# Altium PCB Ethernet2Mil_Adapter_Dual.PcbDoc (part 2 of 5)
Units mil, origin at the board's own origin, x right, y up, seen from the top; angles counter-clockwise.
Board outline 6000 x 4000 mil, 2 copper layers (Top Layer, Bottom Layer); 318 components, 359 nets, 3384 pads, 22 vias.
Unrouted connection lines stored in the file: 800.
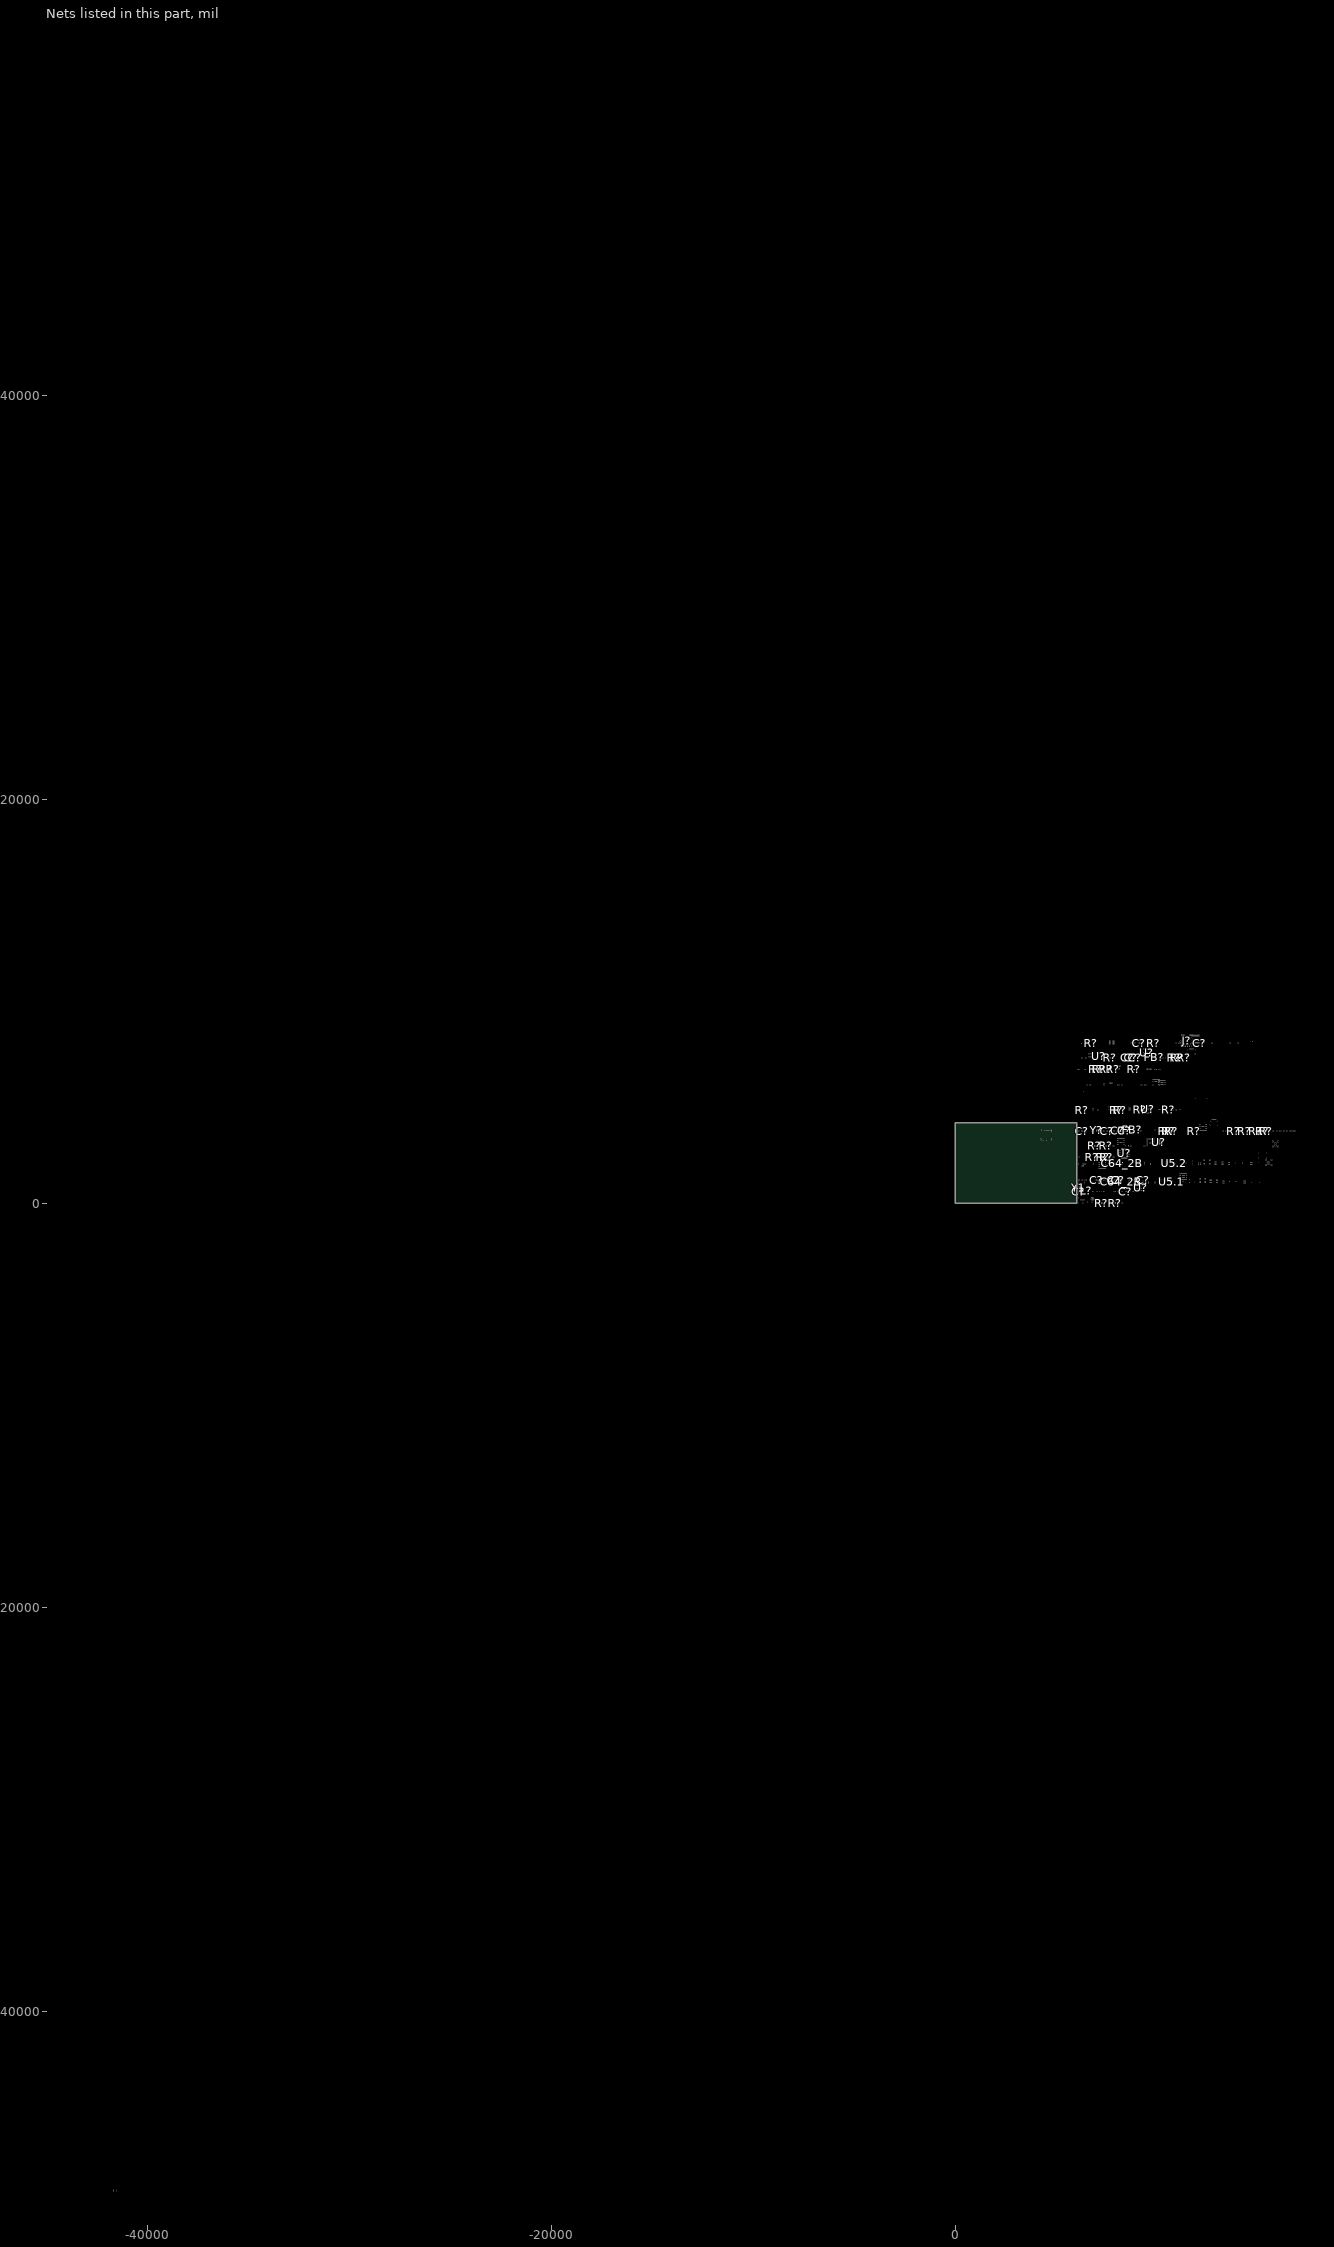
[diagram p2: the nets of this part, all layers, seen from the top]

## Footprints (in the part's own frame and the unit in brackets; to place one, negate y for a bottom-side part, rotate by r counter-clockwise, add the part's x,y. Pads: shape width x height; smd on the part's side, far side on the other; paste and mask are expansions set on the pad) (continued)
FP-C0402-BB-MFG [mm]
  rect 0.52x0.52 smd paste+0 mask+0: 1(-0.4,0) 2(0.4,0)
  silkscreen extent -0.5,-0.64 0.5,0.64, body extent -0.8,-0.4 0.8,0.4, height 0.25
FP-C-06593-6-IPC_B [mm]
  rect 1.348x0.526 smd paste+0 mask+0: 1(-1.171,0.95)
  rrect100% 1.348x0.526 smd paste+0 mask+0: 2(-1.171,0) 3(-1.171,-0.95) 4(1.171,-0.95) 5(1.171,0) 6(1.171,0.95)
  silkscreen extent -2.54,-1.53 0,1.53, body extent -2.09,-1.78 2.09,1.78, height 0.25
FP-CR0402-IPC_C [mil]
  rect 20.29x18.6 smd paste+0 mask+0: 1(-14.9,0) 2(14.9,0)
  silkscreen extent -25,-27 25,27, body extent -29,-15 29,15, height 10
FP-DGK0008A-IPC_B [mm]
  rect 1.557x0.458 smd paste+0 mask+0: 1(-2.101,0.975)
  rrect100% 1.557x0.458 smd paste+0 mask+0: 2(-2.101,0.325) 3(-2.101,-0.325) 4(-2.101,-0.975) 5(2.101,-0.975) 6(2.101,-0.325) 7(2.101,0.325) 8(2.101,0.975)
  silkscreen extent -3.58,-1.5 0.82,1.5, body extent -3.13,-1.75 3.13,1.75, height 0.25
FP-GRM188-0_2-IPC_C [mil]
  rect 35.63x35.68 smd paste+0 mask+0: 1(-23.64,0) 2(23.64,0)
  silkscreen extent -41,-35 41,35, body extent -45,-24 45,24, height 10
FP-IS61WV5128BLL-10BLI-IPC_A [mm]
  round 0.298 smd paste+0 mask+0: A1(-1.875,2.625) A2(-1.125,2.625) A3(-0.375,2.625) A4(0.375,2.625) A5(1.125,2.625) A6(1.875,2.625) B1(-1.875,1.875) B2(-1.125,1.875) B3(-0.375,1.875) B4(0.375,1.875) B5(1.125,1.875) B6(1.875,1.875) C1(-1.875,1.125) C3(-0.375,1.125) C4(0.375,1.125) C6(1.875,1.125) D1(-1.875,0.375) D6(1.875,0.375) E1(-1.875,-0.375) E6(1.875,-0.375) F1(-1.875,-1.125) F3(-0.375,-1.125) F4(0.375,-1.125) F6(1.875,-1.125) G1(-1.875,-1.875) G2(-1.125,-1.875) G3(-0.375,-1.875) G4(0.375,-1.875) G5(1.125,-1.875) G6(1.875,-1.875) H1(-1.875,-2.625) H2(-1.125,-2.625) H3(-0.375,-2.625) H4(0.375,-2.625) H5(1.125,-2.625) H6(1.875,-2.625)
  silkscreen extent -3.65,-4 3,4, body extent -3.5,-4.5 3.5,4.5, height 0.25
FP-LQFP-64-IPC_A [mm]
  rect 2.004x0.312 smd paste+0 mask+0: 1(-5.675,3.75)
  rrect100% 2.004x0.312 smd paste+0 mask+0: 2(-5.675,3.25) 3(-5.675,2.75) 4(-5.675,2.25) 5(-5.675,1.75) 6(-5.675,1.25) 7(-5.675,0.75) 8(-5.675,0.25) 9(-5.675,-0.25) 10(-5.675,-0.75) 11(-5.675,-1.25) 12(-5.675,-1.75) 13(-5.675,-2.25) 14(-5.675,-2.75) 15(-5.675,-3.25) 16(-5.675,-3.75) 33(5.675,-3.75) 34(5.675,-3.25) 35(5.675,-2.75) 36(5.675,-2.25) 37(5.675,-1.75) 38(5.675,-1.25) 39(5.675,-0.75) 40(5.675,-0.25) 41(5.675,0.25) 42(5.675,0.75) 43(5.675,1.25) 44(5.675,1.75) 45(5.675,2.25) 46(5.675,2.75) 47(5.675,3.25) 48(5.675,3.75)
  rrect100% 0.312x2.004 smd paste+0 mask+0: 17(-3.75,-5.675) 18(-3.25,-5.675) 19(-2.75,-5.675) 20(-2.25,-5.675) 21(-1.75,-5.675) 22(-1.25,-5.675) 23(-0.75,-5.675) 24(-0.25,-5.675) 25(0.25,-5.675) 26(0.75,-5.675) 27(1.25,-5.675) 28(1.75,-5.675) 29(2.25,-5.675) 30(2.75,-5.675) 31(3.25,-5.675) 32(3.75,-5.675) 49(3.75,5.675) 50(3.25,5.675) 51(2.75,5.675) 52(2.25,5.675) 53(1.75,5.675) 54(1.25,5.675) 55(0.75,5.675) 56(0.25,5.675) 57(-0.25,5.675) 58(-0.75,5.675) 59(-1.25,5.675) 60(-1.75,5.675) 61(-2.25,5.675) 62(-2.75,5.675) 63(-3.25,5.675) 64(-3.75,5.675)
  silkscreen extent -5.8,-4.25 4.25,4.58, body extent -7.18,-7.18 7.18,7.18, height 0.25
FP-LQM18PN_GH-MFG [mm]
  rect 0.65x0.7 smd paste+0 mask+0: 1(-0.675,0) 2(0.675,0)
  silkscreen extent -0.9,-0.8 0.9,0.8, body extent -1.1,-0.6 1.1,0.6, height 0.25
FP-MPZ1608-0_8-MFG [mm]
  rect 0.6x0.8 smd paste+0 mask+0: 1(-0.7,0) 2(0.7,0)
  silkscreen extent -0.87,-0.8 0.87,0.8, body extent -1.1,-0.58 1.1,0.58, height 0.25
FP-PG-DSO-8-IPC_B [mil]
  rect 85.59x22.97 smd paste+0 mask+0: 1(-93.15,75)
  rrect100% 85.59x22.97 smd paste+0 mask+0: 2(-93.15,25) 3(-93.15,-25) 4(-93.15,-75) 5(93.15,-75) 6(93.15,-25) 7(93.15,25) 8(93.15,75)
  silkscreen extent -163,-96 31,96, body extent -146,-106 146,106, height 10
FP-RN73R1E-MFG [mm]
  rect 0.4x0.3 smd paste+0 mask+0: 1(-0.45,0) 2(0.45,0)
  silkscreen extent -0.4,-0.53 0.4,0.53, body extent -0.75,-0.38 0.75,0.38, height 0.25
FP-RW-16-IPC_C [mil]
  rect 78.65x21.34 smd paste+0 mask+0: 1(-176.3,175)
  rrect100% 78.65x21.34 smd paste+0 mask+0: 2(-176.3,125) 3(-176.3,75) 4(-176.3,25) 5(-176.3,-25) 6(-176.3,-75) 7(-176.3,-125) 8(-176.3,-175) 9(176.3,-175) 10(176.3,-125) 11(176.3,-75) 12(176.3,-25) 13(176.3,25) 14(176.3,75) 15(176.3,125) 16(176.3,175)
  silkscreen extent -243,-203 117,203, body extent -220,-207 220,207, height 10
FP-SM0402GC-MFG [mil]
  rect 16x24 smd paste+0 mask+0: 1(-19.5,0) 2(19.5,0)
  silkscreen extent -58,-30 25,31, body extent -31,-18 31,18, height 10
FP-SMA-MFG [mm]
  rect 2.5x1.7 smd paste+0 mask+0: 1(-2,0) 2(2,0)
  silkscreen extent -3.95,-1.46 2.3,1.46, body extent -3.35,-1.56 3.35,1.56, height 0.25
FP-SOT23-5LD-PL-1-MFG [mm]
  rect 1x0.66 smd paste+0 mask+0: 1(-1.3,0.95) 2(-1.3,0) 3(-1.3,-0.95) 4(1.3,-0.95) 5(1.3,0.95)
  silkscreen extent -2.47,-1.5 0.35,1.5, body extent -1.9,-1.6 1.9,1.6, height 0.25
G800W302018EU [mm]
  round 1.8 hole 1.1 mask+0.07: 1(0,6.35) 2(0,3.81) 3(0,1.27) 4(0,-1.27) 5(0,-3.81) 6(0,-6.35)
  silkscreen extent -1.5,-7.9 1.97,8.3, body extent -1.25,-7.62 1.25,7.62, height 8.61
HR911130A [mm]
  round 1.75 hole 0.9: 1(5.72,-8.89) 2(4.45,-6.35) 3(3.18,-8.89) 4(1.91,-6.35) 5(0.64,-8.89) 6(-0.63,-6.35) 7(-1.9,-8.89) 8(-3.17,-6.35) 9(-4.44,-8.89) 10(-5.71,-6.35)
  round 1.9 hole 1.05: 11(6.625,4.9) 12(4.085,4.9) 13(-4.085,4.9) 14(-6.625,4.9)
  round 3.25 hole 3.25 unplated: MH(-5.715,0) MH(5.715,0)
  round 2.7 hole 1.65: SH(-7.745,-3.05) SH(7.745,-3.05)
  silkscreen extent -8.25,-10.95 8.45,10.75, body extent -7.94,-10.49 7.94,10.91, height 13.51
LED_0402_GREEN [mm]
  rrect25% 0.6x0.7 smd: A(-0.5,0) K(0.5,0)
  silkscreen extent -0.15,-0.65 1.1,0.65, body extent -0.51,-0.25 0.51,0.25, height 0.45
LED_0402_RED [mm]
  rrect25% 0.6x0.7 smd: A(-0.5,0) K(0.5,0)
  silkscreen extent -0.15,-0.65 1.1,0.65, body extent -0.51,-0.25 0.51,0.25, height 0.45
LT-DE-UE-12_V [mm] "SON, 12-Leads, Body 4x3mm, Pitch 0.5mm, Thermal Pad 3.3x1.7mm"
  rect 0.7x0.25 smd: 1(-1.45,1.25) 2(-1.45,0.75) 3(-1.45,0.25) 4(-1.45,-0.25) 5(-1.45,-0.75) 6(-1.45,-1.25) 7(1.45,-1.25) 8(1.45,-0.75) 9(1.45,-0.25) 10(1.45,0.25) 11(1.45,0.75) 12(1.45,1.25)
  rect 1.7x3.3 smd: 13(0,0)
  silkscreen extent -2,-2.05 1.55,2.1, body extent -1.5,-2 1.5,2, height 0.8
MOLX-5033981892_V [mm] "CONN, 8-Leads, Body 14.05x13.2mm, Pitch 1.1mm"
  rrect20% 0.7x1.1 smd: 1(-2.38,6.27) 2(-1.28,6.27) 3(-0.18,6.27) 4(0.92,6.27) 5(2.02,6.27) 6(3.12,6.27) 7(4.22,6.27) 8(5.32,6.27)
  rrect20% 1.05x0.78 smd: 9(0.095,-6.27)
  rrect20% 0.9x0.93 smd: 10(-4.17,-6.195)
  rrect20% 0.86x2.8 smd: 11(6.4,5.77)
  rrect20% 0.7x3.3 smd: 12(6.48,-5.01)
  rrect25% 0.7x3.3 smd: 13(-6.48,-5.01)
  rrect20% 1.04x1.83 smd: 14(-6.21,6.255)
  Top Layer keep-out region: -6.83,-0.63 -6.13,-0.63 -6.13,1.77 -6.83,1.77
  Top Layer keep-out region: -5.235,-6.08 -4.685,-6.08 -4.685,-3.93 -5.235,-3.93
  Top Layer keep-out region: -3.22,-6.28 -2.67,-6.28 -2.67,-5.73 -3.22,-5.73
  Top Layer keep-out region: 6.83,4.37 6.83,-3.36 6.13,-3.36 6.13,-5.88 -0.43,-5.88 -0.43,-6.66 -1.73,-6.66 -1.73,-4.48 0.57,-4.48 0.57,-3.23 -3.82,-3.23 -3.82,-0.63 -3.17,-0.63 -3.17,4.37
  silkscreen extent -6.6,-6.38 6.6,7.5, body extent -6.55,-6.38 6.55,7.67, height 1.28
Mount3mm-Footprint-1 [mil]
  Top Layer lines w1: -45,60 10,60
"New footprint 1" [mil]
  round 60 hole 30: 1(0,0) 2(0,400) 3(254,0) 4(254,400) 5(508,0) 6(508,400)
  silkscreen extent -80,-90 585,465
ONSC-SMA-2-403D-02_F_V [mm] "Molded, 2-Leads, Body 4.32x2.6mm"
  rect 2x2 smd: 1(-2,0) 2(2,0)
  silkscreen extent -3.67,-1.3 0.74,1.3, body extent -2.16,-1.3 2.16,1.3, height 2.2
ONSC-SOD-123-2-425-04_V [mm] "SOD, 2-Leads, Body 2.69x1.6mm"
  rect 0.91x1.22 smd: 1(-1.635,0) 2(1.635,0)
  silkscreen extent -1.76,-0.8 0.78,1.28, body extent -1.35,-0.8 1.35,0.8, height 1.35
ONSC-SOT-23-3-318-08_V [mm] "SOT23, 3-Leads, Body 2.92x1.3mm, Pitch 0.95mm"
  rect 0.9x0.8 smd: 1(-1,0.95) 2(-1,-0.95) 3(1,0)
  silkscreen extent -1.12,-1.46 0.65,2.02, body extent -0.65,-1.46 0.65,1.46, height 1.11
OSC_ECS-2520S25-250-FN-TR [mm]
  rect 0.9x0.8 smd: 1(-0.925,-0.725) 2(0.925,-0.725) 3(0.925,0.725) 4(-0.925,0.725)
  silkscreen extent -2,-1 0.22,1, body extent -1.25,-1 1.25,1, height 0.9
QFN-24-0MM5 [mm]
  rrect50% 0.75x0.25 smd mask+0.05: 1(-1.95,1.25) 2(-1.95,0.75) 3(-1.95,0.25) 4(-1.95,-0.25) 5(-1.95,-0.75) 6(-1.95,-1.25) 13(1.95,-1.25) 14(1.95,-0.75) 15(1.95,-0.25) 16(1.95,0.25) 17(1.95,0.75) 18(1.95,1.25)
  rrect50% 0.25x0.75 smd mask+0.05: 7(-1.25,-1.95) 8(-0.75,-1.95) 9(-0.25,-1.95) 10(0.25,-1.95) 11(0.75,-1.95) 12(1.25,-1.95) 19(1.25,1.95) 20(0.75,1.95) 21(0.25,1.95) 22(-0.25,1.95) 23(-0.75,1.95) 24(-1.25,1.95)
  rect 2.75x2.75 smd mask+0.3: 25(0,0)
  silkscreen extent -2.92,-2.15 2.15,2.15, body extent -2,-2 2,2, height 0.6
QFN-40-0.4-EP [mm] "QFN 40 Pads 0.4mm Pitch Thermal Pad"
  rrect50% 0.8x0.2 smd mask+0.15: 1(-2.425,1.8) 2(-2.425,1.4) 3(-2.425,1) 4(-2.425,0.6) 5(-2.425,0.2) 6(-2.425,-0.2) 7(-2.425,-0.6) 8(-2.425,-1) 9(-2.425,-1.4) 10(-2.425,-1.8) 21(2.425,-1.8) 22(2.425,-1.4) 23(2.425,-1) 24(2.425,-0.6) 25(2.425,-0.2) 26(2.425,0.2) 27(2.425,0.6) 28(2.425,1) 29(2.425,1.4) 30(2.425,1.8)
  rrect50% 0.2x0.8 smd mask+0.15: 11(-1.8,-2.425) 12(-1.4,-2.425) 13(-1,-2.425) 14(-0.6,-2.425) 15(-0.2,-2.425) 16(0.2,-2.425) 17(0.6,-2.425) 18(1,-2.425) 19(1.4,-2.425) 20(1.8,-2.425) 31(1.8,2.425) 32(1.4,2.425) 33(1,2.425) 34(0.6,2.425) 35(0.2,2.425) 36(-0.2,2.425) 37(-0.6,2.425) 38(-1,2.425) 39(-1.4,2.425) 40(-1.8,2.425)
  rrect10% 3.7x3.7 smd mask+0.15: 41(0,0)
  silkscreen extent -3.14,-2.65 2.65,3.19, body extent -2.5,-2.5 2.5,2.5, height 0.9
RDS0009A-MFG [mm]
  round 0.38 smd paste-0.177 mask-0.178: 1(-1.236,0.911)
  rect 0.7x0.25 smd paste+0 mask-0.343: 2(-1.35,0.25) 3(-1.35,-0.25)
  round 0.357 smd paste-0.166 mask-0.165: 4(-1.489,-0.898)
  rect 0.25x0.7 smd paste+0 mask-0.343: 5(-0.65,-1.35) 9(-0.65,1.35)
  rect 2x1.325 smd paste-0.987 mask-0.991: 6(0.75,-1.088) 8(0.75,1.088)
  rect 1.6x0.4 smd paste-0.787 mask-0.787: 7(0.9,0)
  Top Layer region: -1.025,0.75 -1.025,1.65 -1.075,1.7 -1.225,1.7 -1.275,1.65 -1.275,1.2 -1.375,1.1 -1.65,1.1 -1.7,1.05 -1.7,0.75 -1.65,0.7 -1.075,0.7
  Top Layer region: -1.025,-0.75 -1.025,-1.65 -1.075,-1.7 -1.225,-1.7 -1.275,-1.65 -1.275,-1.2 -1.375,-1.1 -1.65,-1.1 -1.7,-1.05 -1.7,-0.75 -1.65,-0.7 -1.075,-0.7
  silkscreen extent -2.37,-1.9 1.88,1.92
RESC0402(1005)_L [mm] "Chip Resistor, Body 1.0x0.5mm, IPC High Density"
  rrect25% 0.5x0.55 smd: 1(-0.45,0) 2(0.45,0)
  silkscreen extent 0,-0.2 0,0.2, body extent -0.5,-0.25 0.5,0.25, height 0.3
RESC1005X40X25LL10T10 [mm] "Chip Resistor, 2-Leads, Body 1.00x0.50mm, IPC High Density"
  rect 0.55x0.5 smd: 1(-0.375,0) 2(0.375,0)
  body extent -0.55,-0.3 0.55,0.3, height 0.4
RESC1005X40X25ML05T05 [mm] "Chip Resistor, 2-Leads, Body 1.05x0.55mm, IPC Low Density"
  rect 0.65x0.65 smd: 1(-0.5,0) 2(0.5,0)
  body extent -0.53,-0.28 0.53,0.28, height 0.4
RESC1005X40X25ML05T10 [mm] "Chip Resistor, 2-Leads, Body 1.05x0.55mm, IPC Low Density"
  rect 0.7x0.65 smd: 1(-0.475,0) 2(0.475,0)
  body extent -0.53,-0.28 0.53,0.28, height 0.4
RESC1005X40X25NL05T05 [mm] "Chip Resistor, 2-Leads, Body 1.00x0.50mm, IPC Medium Density"
  rect 0.55x0.55 smd: 1(-0.45,0) 2(0.45,0)
  body extent -0.53,-0.27 0.53,0.28, height 0.4
RESC1005X40X25NL05T10 [mm] "Chip Resistor, 2-Leads, Body 1.00x0.50mm, IPC Medium Density"
  rect 0.6x0.55 smd: 1(-0.425,0) 2(0.425,0)
  body extent -0.53,-0.27 0.53,0.28, height 0.4
RESC1608X55X25LL10T15 [mm] "Chip Resistor, 2-Leads, Body 1.70x0.90mm, IPC High Density"
  rect 0.6x0.8 smd: 1(-0.65,0) 2(0.65,0)
  body extent -0.85,-0.45 0.85,0.45, height 0.55
RESC1608X55X25ML10T15 [mm] "Chip Resistor, 2-Leads, Body 1.70x0.90mm, IPC Low Density"
  rect 0.8x1 smd: 1(-0.75,0) 2(0.75,0)
  body extent -0.85,-0.45 0.85,0.45, height 0.55
RESC1608X55X25NL10T15 [mm] "Chip Resistor, 2-Leads, Body 1.70x0.90mm, IPC Medium Density"
  rect 0.7x0.9 smd: 1(-0.7,0) 2(0.7,0)
  body extent -0.85,-0.45 0.85,0.45, height 0.55
RESC1608X55X30LL15T15#1 [mm] "Chip Resistor, 2-Leads, Body 1.75x0.95mm, IPC High Density"
  rect 0.75x0.85 smd: 1(-0.65,0) 2(0.65,0)
  body extent -0.87,-0.48 0.87,0.48, height 0.55
RESC1608X55X30LL15T15#2 [mm] "Chip Resistor, 2-Leads, Body 1.60x0.80mm, IPC High Density"
  rect 0.7x0.85 smd: 1(-0.625,0) 2(0.625,0)
  body extent -0.87,-0.48 0.87,0.48, height 0.55
RESC3116X70X50ML13T20 [mm] "Chip Resistor, 2-Leads, Body 3.25x1.65mm, IPC Low Density"
  rect 1.4x1.75 smd: 1(-1.5,0) 2(1.5,0)
  silkscreen extent -0.4,-0.77 0.4,0.77, body extent -1.63,-0.82 1.63,0.82, height 0.7
RESC3125X70X40LL20T20 [mm] "Chip Resistor, 2-Leads, Body 3.10x2.50mm, IPC High Density"
  rect 0.95x2.6 smd: 1(-1.325,0) 2(1.325,0)
  silkscreen extent -0.45,-1.2 0.45,1.2, body extent -1.65,-1.35 1.65,1.35, height 0.7
SOIC127P600X175-8N [mm]
  rect 1.525x0.65 smd: 1(-2.712,1.905) 2(-2.712,0.635) 3(-2.712,-0.635) 4(-2.712,-1.905) 5(2.712,-1.905) 6(2.712,-0.635) 7(2.712,0.635) 8(2.712,1.905)
  silkscreen extent -3.47,-2.45 1.6,2.58, body extent -3,-2.45 3,2.45, height 1.75
SOIC-SN8_L [mm] "SOIC, 8-Leads, Body 4.9x3.9mm, Pitch 1.27mm, IPC High Density"
  oval 1.9x0.6 smd: 1(-2.35,1.905) 2(-2.35,0.635) 3(-2.35,-0.635) 4(-2.35,-1.905) 5(2.35,-1.905) 6(2.35,-0.635) 7(2.35,0.635) 8(2.35,1.905)
  silkscreen extent -2.47,-2.5 1,2.88, body extent -2,-2.5 2,2.5, height 1.75
TestPoint_Ground_0.6mm-Footprint-1 [mm]
  rect 0.6x0.6 smd: 1(0,0)
TP06R [mm] "Testpoint, round, d=0.6mm"
  round 0.6 smd paste-1: 1(0,0)
uDFN-10 [mm]
  rrect10% 0.2x0.5 smd mask+0: 29(-0.5,-0.35) 29(-0.5,0.35) 47(0.5,-0.35) 47(0.5,0.35) 56(1,-0.35) 56(1,0.35) 110(-1,-0.35) 110(-1,0.35)
  rrect10% 0.4x1.2 smd mask+0: 38(0,0)
  silkscreen extent -1.51,-0.87 -1,-0.2, body extent -1.25,-0.51 1.25,0.51, height 0.47
WCAP-CSSA_1808_L4.5W2H1.4 [mm] "Ceramic Capacitors, body 4.50x2.00mm"
  rect 1.05x2.3 smd: 1(-1272.175,-1270) 2(-1267.825,-1270)
  silkscreen extent -1271.3,-1271.12 -1268.7,-1268.88, body extent -1272.25,-1271 -1267.75,-1269, height 1.4
WE-CBF_0805_L2W1.2H0.9_HC [mm] "SMD EMI Suppression Ferrite  Bead, body 2.00x1.20mm"
  rect 1.4x1 smd: 1(-1.3,0) 2(1.3,0)
  body extent -1,-0.6 1,0.6, height 0.9

## Part data
C31 C45 C? C? C? C? C? C? C? C? C? C? C? C? C? C? C? C? C? C? C? C? C? C? C? C?: library part CMP-001-00060-5, "Chip Capacitor, 470nF +/-40%, 10V, 0402, Thickness 0.6 mm", Case/Package=0402, Max Operating Temperature=85°C, Min Operating Temperature=-55°C, Tolerance=20%, Voltage Rating=10V, Mounting Technology=SMT, Pins=2
C36 C43 C? C? C? C? C? C? C? C? C? C? C? C? C? C? C? C? C?: library part CMP-001-00076-5, "Chip Capacitor, 4.7µF +/-20%, 10V, 0603, Thickness 1 mm", Case/Package=0603, Max Operating Temperature=85°C, Min Operating Temperature=-55°C, Tolerance=10%, Voltage Rating=10V, Mounting Technology=SMT, Pins=2
C59.1 C59.2 C60.1 C60.2: library part CMP-001-00086-1, "Ceramic Capacitor, Multilayer, Ceramic, 50V, 10% +Tol, 10% -Tol, X7R, 15% TC, 3.3uF, Surface Mount, 1210", Capacitor Type=Ceramic, Case/Package=1210, Max Operating Temperature=125°C, Min Operating Temperature=-55°C, Mounting Technology="Surface Mount", Pins=2, RoHS Compliant=Yes
C61.1 C61.2 C64_2B C64_2B C? C?: library part CMP-001-00087-1, "Ceramic Capacitor, Multilayer, Ceramic, 25V, 5% +Tol, 5% -Tol, X7R, 15% TC, 0.1uF, Surface Mount, 0805", Capacitor Type=Ceramic, Case/Package=0805, Max Operating Temperature=125°C, Min Operating Temperature=-55°C, Mounting Technology="Surface Mount", Pins=2, RoHS Compliant=Yes
C? C? C? C? C? C? C? C? C?: library part CMP-001-00054-5, "Chip Capacitor, 100µF +/-20%, 6.3V, 0805, Thickness 1.45 mm", Case/Package=0805, Max Operating Temperature=85°C, Min Operating Temperature=-55°C, Tolerance=10%, Voltage Rating=6.3V, Mounting Technology=SMT, Pins=2
C?: library part CMP-001-00055-5, "Chip Capacitor, 1µF +/-0.1%, 25V, 0603, Thickness 1 mm", Case/Package=0603, Max Operating Temperature=85°C, Min Operating Temperature=-55°C, Tolerance=20%, Voltage Rating=25V, Mounting Technology=SMT, Pins=2
C?: library part CMP-001-00006-7, "Chip Capacitor, 1 uF, +/- 10%, 25 V, 1206 (3216 Metric)", Capacitor Type=Ceramic, Case/Package=1206, Max Operating Temperature=125°C, Min Operating Temperature=-55°C, Tolerance=10%, Voltage Rating=25V, Mounting Technology=SM, Pins=2, RoHS Compliant=True
C?: library part CMP-001-00065-5, "Chip Capacitor, 100nF +/-20%, 25V, 0402, Thickness 0.6 mm", Case/Package=0402, Max Operating Temperature=85°C, Min Operating Temperature=-55°C, Tolerance=10%, Voltage Rating=25V, Mounting Technology=SMT, Pins=2
C? C? C?: library part CMP-06035-027361-1, "Chip Multilayer Ceramic Capacitors for General Purpose, 0603, 22uF, X5R, 15%, 20%, 6.3V", Capacitance=22uF, Case Code (Imperial)=0603, Case Code (Metric)=1608, Dielectric=X5R, Max Operating Temperature=85°C, Min Operating Temperature=-55°C, Package Quantity=10000, Tolerance=20%, Voltage Rating=6.3V, Case/Package=0603, Lead Free="Lead Free", Length=0.063inch, Mount="Surface Mount", Packaging="Tape and Reel", Termination=SMD/SMT, Thickness=0.039inch, Voltage Rating (DC)=6.3V, Weight=0.000222oz, Width=0.031inch
C? C?: library part CMP-001-00013-7, "Chip Capacitor, 10 pF, +/- 5%, 50 V, 0402 (1005 Metric)", Capacitor Type=Ceramic, Case/Package=0402, Max Operating Temperature=125°C, Min Operating Temperature=-55°C, Tolerance=5%, Voltage Rating=50V, Mounting Technology=SM, Pins=2, RoHS Compliant=True
C? C? C? C? C? C? C? C? C? C? C? C? C? C?: library part CMP-001-00017-7, "Chip Capacitor, 100 nF, +/- 10%, 50 V, 0603 (1608 Metric)", Capacitor Type=Ceramic, Case/Package=0603, Max Operating Temperature=125°C, Min Operating Temperature=-55°C, Tolerance=10%, Voltage Rating=50V, Mounting Technology=SM, Pins=2, RoHS Compliant=True
C? C? C? C?: library part CMP-001-00001-7, "Chip Capacitor, 0.1 uF, +/- 5%, 16 V, 0402 (1005 Metric)", Capacitor Type=Ceramic, Case/Package=0402, Max Operating Temperature=125°C, Min Operating Temperature=-55°C, Tolerance=5%, Voltage Rating=16V, Mounting Technology=SM, Pins=2, RoHS Compliant=True
C? C? C? C?: library part CMP-001-00007-7, "Chip Capacitor, 1 uF, +/- 10%, 50 V, 0805 (2012 Metric)", Capacitor Type=Ceramic, Case/Package=0805, Max Operating Temperature=125°C, Min Operating Temperature=-55°C, Tolerance=10%, Voltage Rating=50V, Mounting Technology=SM, Pins=2, RoHS Compliant=True
C? C? C?: library part CMP-001-00079-5, "Chip Capacitor, 10µF +/-20%, 25V, 0805, Thickness 1.45 mm", Case/Package=0805, Max Operating Temperature=85°C, Min Operating Temperature=-55°C, Tolerance=10%, Voltage Rating=25V, Mounting Technology=SMT, Pins=2
C? C?: library part CMP-001-00104-1, "Ceramic Capacitor, Multilayer, Ceramic, 50V, 1% +Tol, 1% -Tol, C0G, 30ppm/Cel TC, 0.000027uF, Surface Mount, 0402", Capacitor Material Type=COG, Capacitor Type=Ceramic, Case/Package=0402, Max Operating Temperature=125°C, Min Operating Temperature=-55°C, ComponentLink1Description="Capacitor Type", ComponentLink1URL=COG, Mounting Technology="Surface Mount", Pins=2, RoHS Compliant=Yes
C?: library part CMP-03913-107854629-1, "8853520100071 Suppression Cap, 33Pf, Class X1/Y2 Rohs Compliant: Yes", Capacitance=33pF_DNR, Insulation Resistance=100GΩ, Max Operating Temperature=125°C, Min Operating Temperature=-55°C, Voltage Rating=250V, Height=1.4mm, Length=4.5mm, NexarPartId=107854629, RoHS=Compliant, Width=2mm
C? C?: library part CMP-001-00114-1, "0603 1 uF 16 V ±5 % Tolerance X7R Surface Mount Multilayer Ceramic Capacitor", Case/Package=0603, Max Operating Temperature=125°C, Min Operating Temperature=-55°C, Tolerance=5%, Voltage Rating=16V, Mounting Technology="Surface Mount"
C?: library part CMP-001-00069-4, "Chip Capacitor, 10nF +/-20%, 50V, 0402, Thickness 0.6 mm", Case/Package=0402, Max Operating Temperature=85°C, Min Operating Temperature=-55°C, Tolerance=5%, Voltage Rating=50V, Mounting Technology=SMT, Pins=2
C?: library part CMP-001-00077-4, "Chip Capacitor, 470nF +/-20%, 25V, 0603, Thickness 1 mm", Case/Package=0603, Max Operating Temperature=85°C, Min Operating Temperature=-55°C, Tolerance=10%, Voltage Rating=25V, Mounting Technology=SMT, Pins=2
C?: library part CMP-001-00080-5, "Chip Capacitor, 4.7µF +/-40%, 25V, 0805, Thickness 1.45 mm", Case/Package=0805, Max Operating Temperature=85°C, Min Operating Temperature=-55°C, Tolerance=20%, Voltage Rating=25V, Mounting Technology=SMT, Pins=2
C? C?: library part CMP-001-00118-1, "Multilayer Ceramic Capacitors MLCC - SMD/SMT 16V 390pF X7R 0402 10%", Case/Package=0402, Max Operating Temperature=125°C, Min Operating Temperature=-55°C, Tolerance=10%, Voltage Rating=16V, Mounting Technology="Surface Mount", Pins=2
C?: library part CMP-14477-001835-2, "None", Capacitance="10 nF", Case Code (Imperial)=0603, Case Code (Metric)=1608, Max Operating Temperature=125°C, Min Operating Temperature=-55°C, Package Quantity=1, Resistor Type=Ceramic, Tolerance=10%, Voltage Rating=16V, Case/Package=0603, Construction=Flat, Depth=0.8mm, Halogen Free="Halogen Free", Height=0.8mm, Lead Free="Lead Free", Length=1.6mm, Mount="Surface Mount", Packaging="Tape and Reel", Radiation Hardening=No, RoHS Compliant=Yes, Series=CFCAP™, Termination=SMD/SMT, Thickness=0.035inch, Voltage Rating (DC)=16V, Weight=7.1E-05oz, Width=0.031inch
CM?: library part CMP-049-000083-1, "Common Mode Choke 5A 250R 20mR", LCSC=C576407, Manufacturer=Murata, Design Item ID=DLW5BTM251SQ2L, Distributor Link=https://www.mouser.de/ProductDetail/Murata-Electronics/DLW5BTM251SQ2L?qs=6RPrPjhwTH9TmsO%252BRNiuwA%3D%3D, Manufacturer Part Number=DLW5BTM251SQ2L, Source=Schematic-Lib-PhilsLab.SchLib
D6.1 D6.2 D7.1 D7.2: library part CMP-004-00033-1, "Zener Diode, 20V V(Z), 5%, 0.5W, Silicon, Unidirectional", Max Operating Temperature=150°C, Min Operating Temperature=-65°C, Pins=2, RoHS Compliant=Yes
D8.1 D8.2 D9.1 D9.2: library part CMP-004-00035-1, "Rectifier Diode, Schottky, 1 Phase, 1 Element, 0.5A, 20V V(RRM), Silicon", Forward Voltage=385mV, Max Operating Temperature=125°C, Min Operating Temperature=-65°C, Pins=2, RoHS Compliant=Yes
D?: library part CMP-004-00047-1, "TVS Diode Array Low Capacitance ESD Protection 4-Channel (Vwork=3V3, Vclamp=6V)", Manufacturer=Littelfuse, Design Item ID=SP3420-04UTG, Manufacturer Part Number=SP3420-04UTG, Source=Schematic-Lib-PhilsLab.SchLib
D? D?: library part CMP-007-00038-1, "LED Uni-Color Green 575nm 2-PinChip 0402(1006Metric) T/R", Case/Package=0402, Forward Current=30mA, Forward Voltage=2.6V, Max Operating Temperature=80°C, Min Operating Temperature=-30°C, Mounting Technology="Surface Mount"
D?: library part CMP-004-00056-2, "LED 0402 GREEN SMD", Design Item ID=LED_0402_GREEN
D?: library part CMP-1060-00549-1, "Zener Voltage Regulator, 500 mW, 2-Pin SOD-123, Pb-Free, Tape and Reel", Manufacturer="On Semiconductor", ComponentLink1Description="Manufacturer URL", ComponentLink1URL=http://www.onsemi.com/, ComponentLink2Description=Datasheet, ComponentLink2URL=http://www.onsemi.com/pub_link/Collateral/MMSZ5221BT1-D.PDF, ComponentLink3Description="Package Specification", ComponentLink3URL=http://www.onsemi.com/pub_link/Collateral/425-04.PDF, DatasheetVersion="Rev. 12", Mounting Technology="Surface Mount", P Max (W)=0.5, PackageDescription="2-Pin SOD, Body 1.6 x 2.69 mm", PackageReference=SOD-123-2-425-04, PackageVersion="Rev. G, 10/2009", Packing="Tape and Reel", PartNumber=MMSZ5240BT1G, RoHS=Pb-Free, VZ Typ (V)=10
D? D?: library part CMP-004-00031-1, "TVS DIODE 5V 9.2V SMA", Breakdown Voltage=6.4V, Case/Package=SMA, Clamping Voltage=9.2V, Manufacturer="Diodes Inc.", Max Junction Temp=+150°C, Peak Pulse Current=43.5A, Peak Pulse Power=400W, Reverse Standoff Voltage=5V, Temperature="-55°C to +150°C", Temperature Range High=150°C, Temperature Range Low=-55°C, Automotive=No, Category=Diode, Component Type=Standard, Design Item ID=SMAJ5.0A-13-F, Device Class L1="Circuit Protection", Device Class L2="TVS Diodes", Device Class L3=unset, Digikey Description="TVS DIODE 5V 9.2V SMA", Direction=Unidirectional, Footprint Url=https://www.diodes.com/assets/Package-Files/SMA.pdf, Height=2.4mm, Lead Free=Yes, Manufacturer Part Number=SMAJ5.0A-13-F, Mouser Description="TVS DIODE 5V 9.2V SMA", Number Of Channels=1, Octopart=https://octopart.com/smaj5.0a-13-f-diodes+inc.-350158, Pins=2, RoHS=TRUE, Source=CodyStates.SchLib, Standoff Height=0.05mm
D?: library part CMP-004-00045-1, "LED 0402 RED SMD", Design Item ID=LED_0402_RED, Source=Schematic-Lib-PhilsLab.SchLib
DS?: library part CMP-2000-05062-1, "Chip LED, Green, 2.2 V, -40 to 85 degC, 2-Pin SMD, Pb-Free, Tape and Reel", Forward Current If=20mA, Forward Voltage=2.2V, Forward Voltage VF Max=2.6V, LED Colour=Green, Manufacturer=Avago, Operating Temperature Max=85degC, Operating Temperature Min=-30degC, Operating Temperature Range=-30degCto+85degC, Opto Case Style=SMD, Package Description="2-Pin Surface Mount Device, Body 2 x 1.25 mm, Height 0.8 mm", Package Reference=HSMX-C170, Storage Temperature Min=-40degC, Bulb Size=1.25mmx1.4mm, Datasheet URL=https://datasheet.ciiva.com/29280/180495-da-01-en-chip-led-hsmg-c170-gelb-gruen-29280971.pdf, Datasheet Version=Oct-08, Dominant Wavelength=572nm, Dominant Wavelength Typ=572nm, External Depth=0.8mm, External Length / Height=2mm, External Width=1.25mm, Forward Current If Max=20mA, LED Mounting=SMD, LED Type=Standard, Lens Shape=Rectangular, Light Area Height=1mm, Luminous Intensity=15mcd, Luminous Intensity Min=4mcd, Luminous Intensity Typ=15mcd, Manufacturer URL=http://www.avagotech.com/, Mounting Type=SMD, MSL=MSL2A-4weeks, No. of Pins=2, Opto Mounting Orientation=Top, Packaging=CutTape, Peak Forward Current=20mA, Peak Wavelength=570nm, PIV Max=5V, Storage Temperature Max=85degC, SVHC=NoSVHC(16-Jun-2014), Viewing Angle=170deg, Voltage Vf Typ=2.2V, Wavelength Typ=570nm
FB? FB?: library part CMP-0220-00030-2, Case Code=0805, Case Code (Metric)=2012, Case/Package=SMD/SMT, Clock Frequency=250MHz, Current Rating=3A, DC Resistance (DCR)=30mΩ, DC Resistance-Max=30mR, Inductance=1H, Manufacturer="Wurth Electronics", Max Operating Temperature=125°C, Min Frequency=100MHz, Min Operating Temperature=-55°C, Supplier Part Number=24AC5582, Tolerance=25%, Case Code (Imperial)=0805, Category="Ferrite Beads and Chips", Channels=1, ComponentLink1Description=https://datasheet.ciiva.com:443/pdfs/VipMasterIC/IC/MIDC/MIDC-S-A0008919821/MIDC-S-A0008918329-1.pdf?src-supplier=IHS+Markit, ComponentLink1URL=https://datasheet.ciiva.com:443/pdfs/VipMasterIC/IC/MIDC/MIDC-S-A0008919821/MIDC-S-A0008918329-1.pdf?src-supplier=IHS+Markit, ComponentLink2Description=https://datasheet.ciiva.com/1013/742792023-1013536.pdf?src-supplier=Digikey, ComponentLink2URL=https://datasheet.ciiva.com/1013/742792023-1013536.pdf?src-supplier=Digikey, ComponentLink3Description=https://datasheet.ciiva.com/4940/742792023-80959-4940415.pdf?src-supplier=Mouser, ComponentLink3URL=https://datasheet.ciiva.com/4940/742792023-80959-4940415.pdf?src-supplier=Mouser, ComponentLink4Description=https://datasheet.ciiva.com/11803/0900766b80bbd134-11803678.pdf?src-supplier=Rs, ComponentLink4URL=https://datasheet.ciiva.com/11803/0900766b80bbd134-11803678.pdf?src-supplier=Rs, ComponentLink5Description=https://datasheet.ciiva.com/1126/1695980-1126531.pdf?src-supplier=Element14, ComponentLink5URL=https://datasheet.ciiva.com/1126/1695980-1126531.pdf?src-supplier=Element14, ComponentLink6Description=https://datasheet.ciiva.com/6739/742792023-6739069.pdf?src-supplier=Newark, ComponentLink6URL=https://datasheet.ciiva.com/6739/742792023-6739069.pdf?src-supplier=Newark, ComponentLink7Description=https://datasheet.ciiva.com/1013/742792023-1013537.pdf?src-supplier=Digikey, ComponentLink7URL=https://datasheet.ciiva.com/1013/742792023-1013537.pdf?src-supplier=Digikey, ComponentLink8Description=https://datasheet.ciiva.com/1013/742792023-1013538.pdf?src-supplier=Digikey, ComponentLink8URL=https://datasheet.ciiva.com/1013/742792023-1013538.pdf?src-supplier=Digikey, ComponentLink9Description=https://datasheet.ciiva.com/48698/001086956-da-01-ml-we-cbf-smd-ferrit-742792023-de-en-48698517.pdf?src-supplier=Conrad, ComponentLink9URL=https://datasheet.ciiva.com/48698/001086956-da-01-ml-we-cbf-smd-ferrit-742792023-de-en-48698517.pdf?src-supplier=Conrad, Construction=Multi-Layer, Core Material=Ferrite, Depth=1.2mm, Filter Type="FERRITE CHIP", Height=900µm, Impedance=120Ω, JESD-609 Code=e3, Lead Free="Lead Free", Length=2mm, Manufacturer Part Number=742792023, Material=Ferrite, Max Current Rating=3A, Max DC Current=3A, Mount="Surface Mount", Mounting Technology="Surface Mount", NexarPartId=8916989, Number of Lines=1, Output Impedance=120R, Packaging="Cut Tape (CT)", Pricing="4000=0.17 (USD)", REACH SVHC=Unknown, Reach SVHC Compliant=Yes, Resistance=30mΩ, RoHS=Compliant, RoHS Compliant=Yes, Shielding=Unshielded, Stock=8000, Supplier=Newark, Terminal Finish=Nickel, Termination=SMD/SMT, Test Frequency=100MHz, Weight=10.999615mg, Width=1.2mm